# Altium PCB PJ_GRA_F.PcbDoc (part 1 of 2)
Units mm, origin at the board's own origin, x right, y up, seen from the top; angles counter-clockwise.
Board outline 100 x 100 mm, 2 copper layers (Top Layer, Bottom Layer); 102 components, 87 nets, 341 pads, 125 vias.
Unrouted connection lines stored in the file: 1.
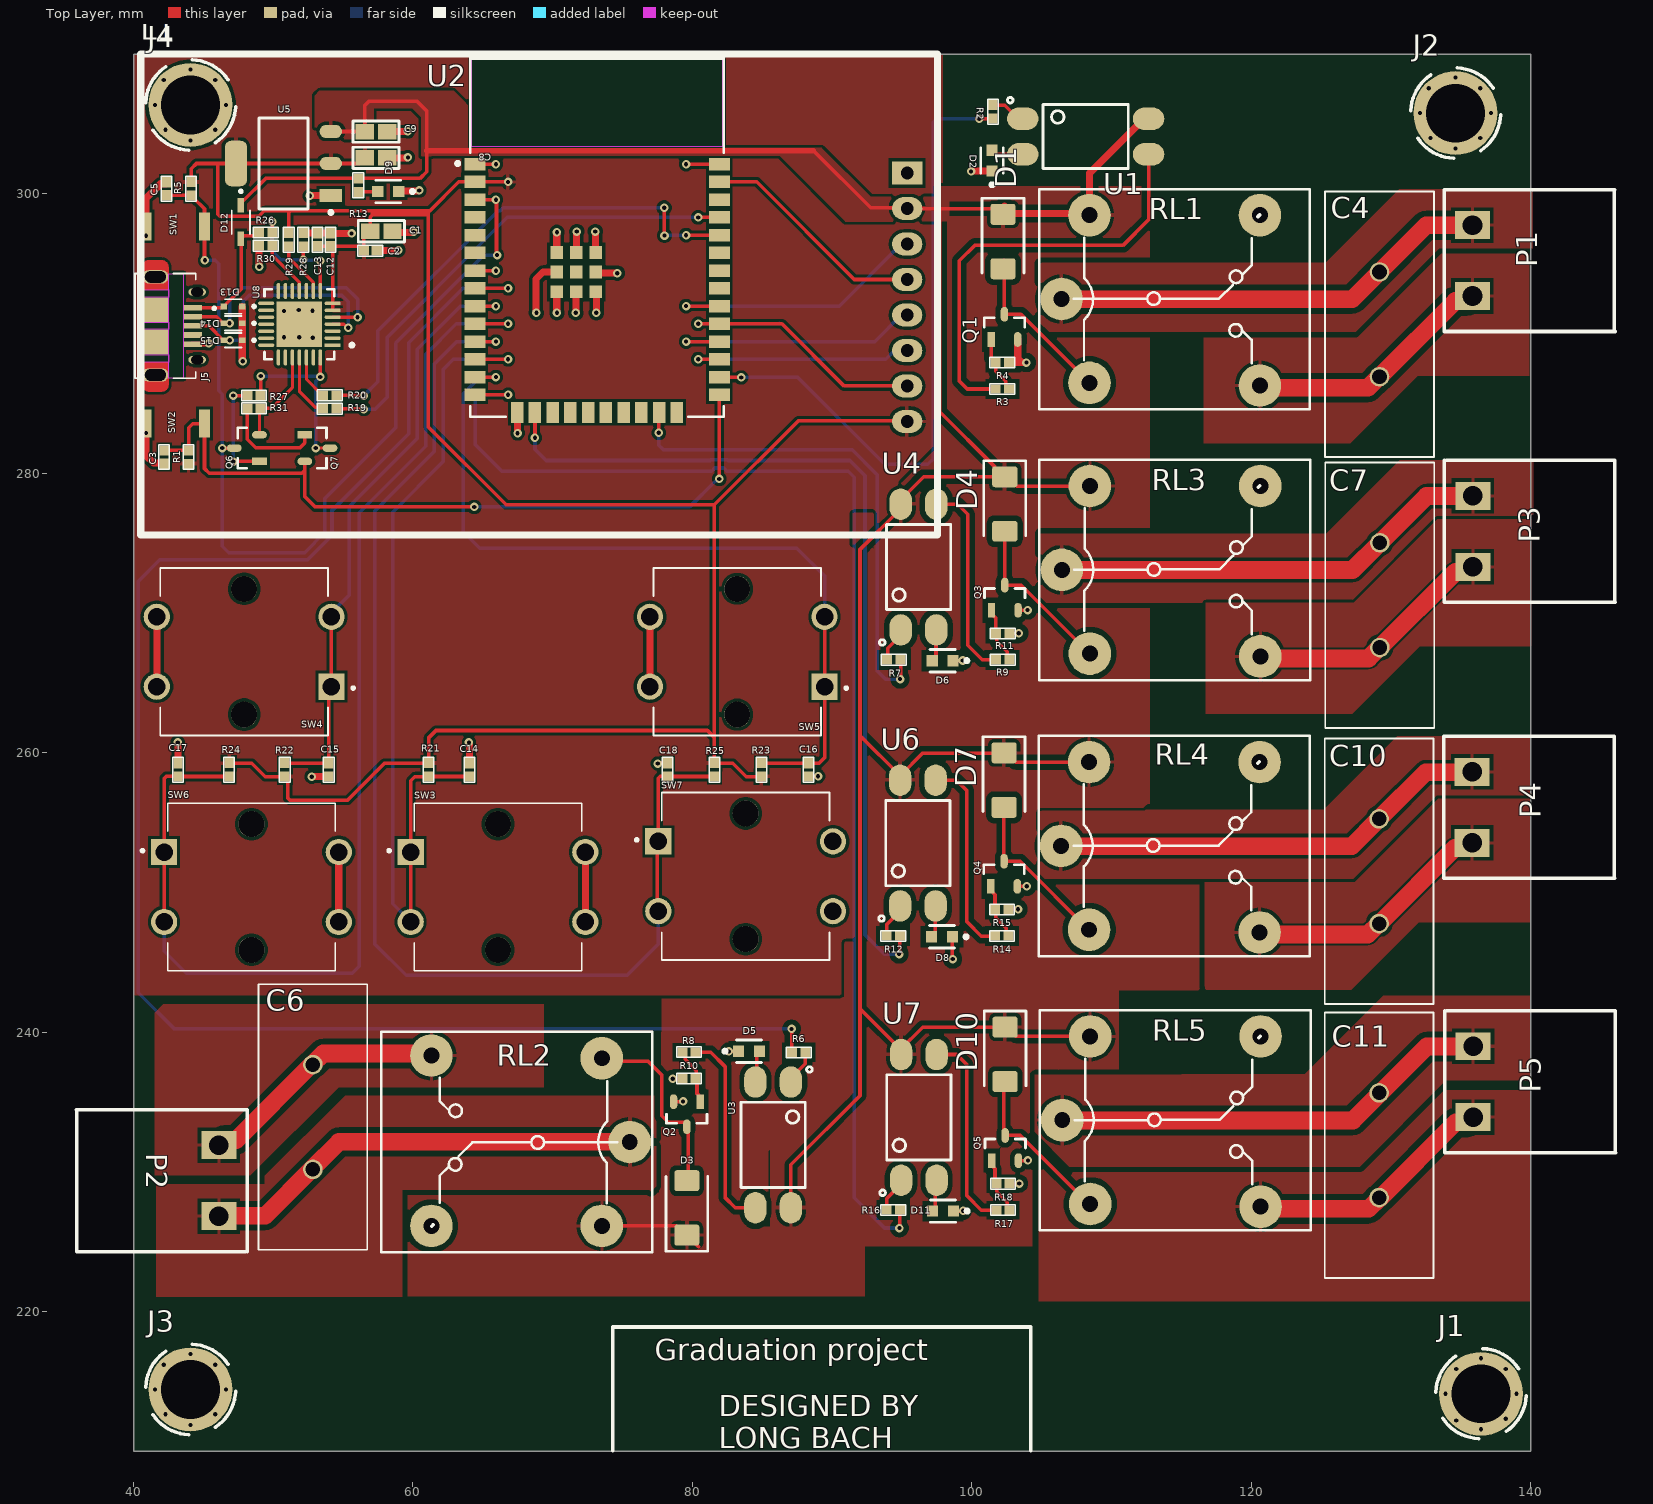
[diagram p0: Top Layer view]
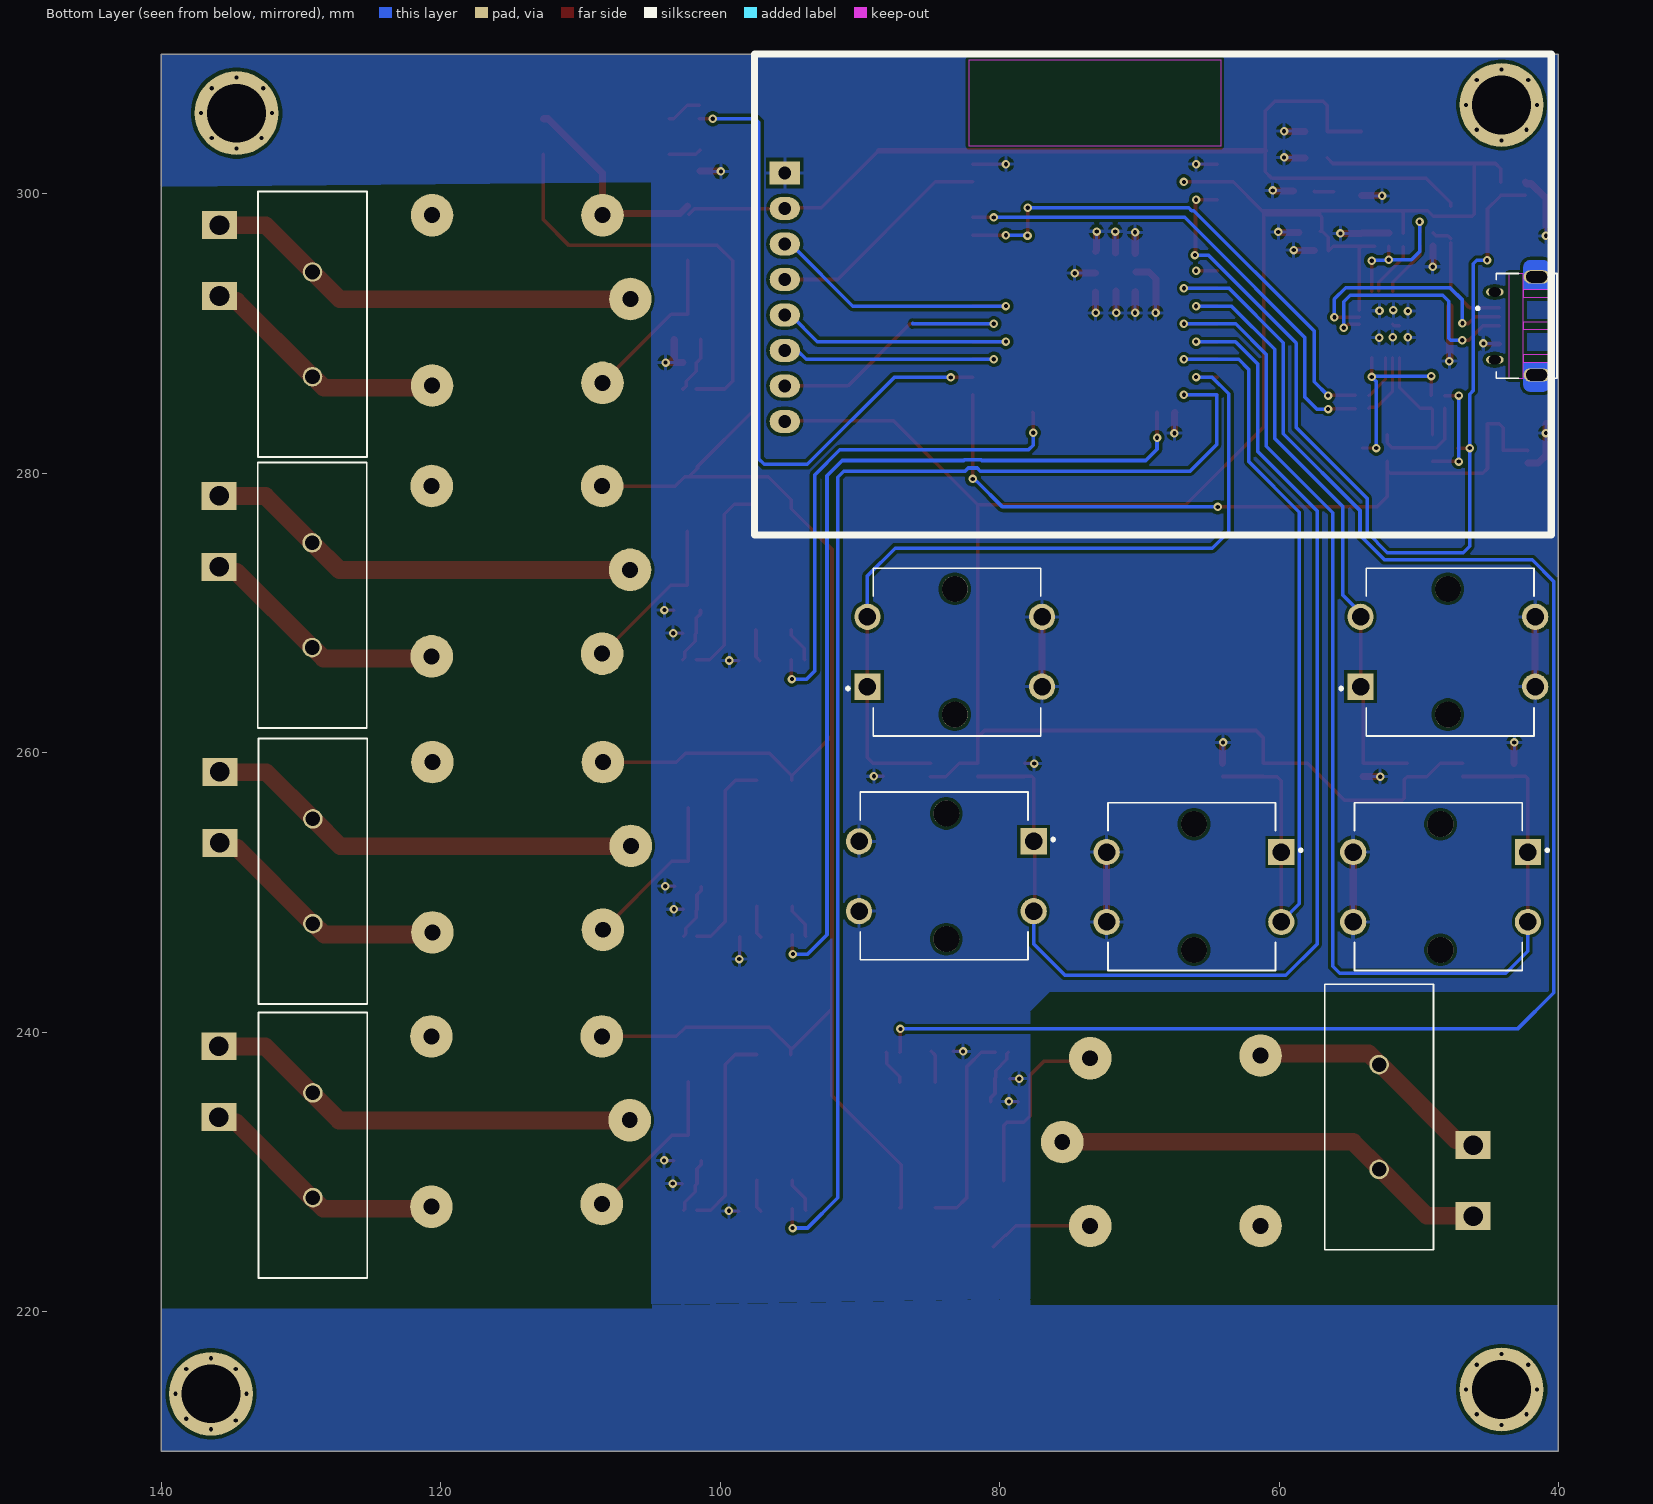
[diagram p1: Bottom Layer view, seen from below]

## Layer stack, top to bottom
Top Solder: solder mask 0.0102, Solder Resist, Dk 3.5
Top Layer: signal copper 0.0356
Dielectric 1: dielectric 0.32, FR-4, Dk 4.8
Bottom Layer: signal copper 0.0356
Bottom Solder: solder mask 0.0102, Solder Resist, Dk 3.5

## Board outline
40,210 140,210 140,310 40,310

## Design rules (kind name [scope] priority, off if disabled: settings)
Clearance [All] p1: gap=0.229 ignorepadtopadclearanceinfootprint=FALSE
PlaneConnect [All] p1: planeconnectstyle=Direct reliefexpansion=0.508 reliefentries=4 reliefconductorwidth=0.254 reliefairgap=0.254
PolygonConnect [All] p1: connectstyle=Relief reliefconductorwidth=0.254 reliefentries=4 polygonreliefangle="90 Angle" airgapwidth=0.254
RoutingVias [All] p1: holewidth=0.305 width=0.61 viastyle="Through Hole" minholewidth=0.305 minwidth=0.61 maxholewidth=0.305 maxwidth=0.61
SolderMaskExpansion [All] p1: expansion=0.051 istentingtop=FALSE
Width [All] p1: maxlimit=2.54 minlimit=0.229 preferedwidth=0.254 bottomlayer_minwidth=0.254 minimp=50.000000 maximp=50.000000 favimp=50.000000
29 further rules are at their usual default settings.

## Components (designator, comment, footprint, x,y, rotation, side; value= is the part's Value field where it differs from the comment)
C1 "22uF 10V" FP-GRM188-0_2-IPC_A 57.734,297.332 r180 top
C2 "0.1uf 50V" FP-C1005-050-0_05-IPC_A 56.947,295.935 r180 top
C3 "0.1uf 50V" FP-C1005-050-0_05-IPC_A 42.189,281.169 r90 top
C4 "470nF 400v" CAPRR750W80L1900T780H2200 129.184,290.669 r90 top
C5 "0.1uf 50V" FP-C1005-050-0_05-IPC_A 42.367,300.38 r270 top
C6 "470nF 400v" CAPRR750W80L1900T780H2200 52.834,233.931 r270 top
C7 "470nF 400v" CAPRR750W80L1900T780H2200 129.208,271.283 r90 top
C8 "22uF 10V" FP-GRM188-0_2-IPC_A 57.353,302.59 r180 top
C9 "22uF 10V" FP-GRM188-0_2-IPC_A 57.353,304.47 r180 top
C10 "470nF 400v" CAPRR750W80L1900T780H2200 129.158,251.522 r90 top
C11 "470nF 400v" CAPRR750W80L1900T780H2200 129.158,231.906 r90 top
C12 "4.7uf 6.3V" FP-C1005-050-0_05-IPC_A 54.102,296.723 r270 top
C13 "0.1uf 50V" FP-C1005-050-0_05-IPC_A 53.162,296.723 r270 top
C14 "0.1uf 50V" FP-C1005-050-0_05-IPC_A 64.033,258.775 r270 top
C15 "0.1uf 50V" FP-C1005-050-0_05-IPC_A 53.975,258.775 r90 top
C16 "0.1uf 50V" FP-C1005-050-0_05-IPC_A 88.316,258.775 r90 top
C17 "0.1uf 50V" FP-C1005-050-0_05-IPC_A 43.18,258.775 r270 top
C18 "0.1uf 50V" FP-C1005-050-0_05-IPC_A 78.207,258.775 r270 top
D1 "Diode" DO-214AC_SMA 102.235,296.596 r270 top
D2 "RED LED" FP-6_541-5092_01-4-MFG 101.448,302.387 r90 top
D3 "Diode" DO-214AC_SMA 79.605,227.424 r90 top
D4 "Diode" DO-214AC_SMA 102.361,277.808 r270 top
D5 "RED LED" FP-6_541-5092_01-4-MFG 84.05,238.639 r0 top
D6 "RED LED" FP-6_541-5092_01-4-MFG 97.916,266.593 r180 top
D7 "Diode" DO-214AC_SMA 102.31,258.047 r270 top
D8 "RED LED" FP-6_541-5092_01-4-MFG 97.865,246.832 r180 top
D9 "RED LED" FP-6_541-5092_01-4-MFG 58.23,300.177 r180 top
D10 "Diode" DO-214AC_SMA 102.386,238.413 r270 top
D11 "RED LED" FP-6_541-5092_01-4-MFG 97.941,227.197 r180 top
D12 "BAT760-7" SOD2513X120N 47.676,297.993 r270 top
D13 "DIODE" TVS_LESD5D5.0CT1G 47.12,291.948 r180 top
D14 "DIODE" TVS_LESD5D5.0CT1G 47.12,290.741 r180 top
D15 "DIODE" TVS_LESD5D5.0CT1G 47.12,289.535 r180 top
J1 "PIN-M4" M4 125.146,212.337 r90 top
J2 "PIN-M4" M4 132.842,317.094 r0 top
J3 "PIN-M4" M4 42.291,225.73 r0 top
J4 "PIN-M4" M4 42.291,317.678 r0 top
J5 "MICRO B" HRS_ZX62D-B-5P8 41.629,290.558 r270 top
L1 "LCD ST7735" "ST7735 (OLED -1.8 INCH)" 108.839,322.199 r180 top
P1 "CON 2 EDG5.08" "CON 2 2EDG5.08" 135.839,297.777 r270 top
P2 "CON 2 EDG5.08" "CON 2 2EDG5.08" 46.103,226.84 r90 top
P3 "CON 2 EDG5.08" "CON 2 2EDG5.08" 135.863,278.391 r270 top
P4 "CON 2 EDG5.08" "CON 2 2EDG5.08" 135.812,258.63 r270 top
P5 "CON 2 EDG5.08" "CON 2 2EDG5.08" 135.889,238.996 r270 top
Q1 "S8050" FP-SS8050-G-IPC_C 102.337,290.488 r90 top
Q2 "S8050" FP-SS8050-G-IPC_C 79.605,234.129 r270 top
Q3 "S8050" FP-SS8050-G-IPC_C 102.361,271.102 r90 top
Q4 "S8050" FP-SS8050-G-IPC_C 102.31,251.341 r90 top
Q5 "S8050" FP-SS8050-G-IPC_C 102.386,231.707 r90 top
Q6 "S8050" FP-SS8050-G-IPC_C 48.108,281.813 r180 top
Q7 "S8050" FP-SS8050-G-IPC_C 53.16,281.813 r0 top
R1 "10K" FP-AC0402-IPC_A 43.942,281.169 r270 top
R2 "2K" FP-AC0402-IPC_A 101.511,305.878 r90 top
R3 "2K" FP-AC0402-IPC_A 102.184,286.042 r0 top
R4 "2K" FP-AC0402-IPC_A 102.184,287.934 r180 top
R5 "10K" FP-AC0402-IPC_A 44.12,300.38 r90 top
R6 "2K" FP-AC0402-IPC_A 87.618,238.557 r0 top
R7 "2K" FP-AC0402-IPC_A 94.425,266.657 r180 top
R8 "2K" FP-AC0402-IPC_A 79.758,238.575 r180 top
R9 "2K" FP-AC0402-IPC_A 102.208,266.657 r0 top
R10 "2K" FP-AC0402-IPC_A 79.758,236.683 r0 top
R11 "2K" FP-AC0402-IPC_A 102.208,268.549 r180 top
R12 "2K" FP-AC0402-IPC_A 94.374,246.895 r180 top
R13 "2K" FP-AC0402-IPC_A 56.083,300.634 r90 top
R14 "2K" FP-AC0402-IPC_A 102.157,246.895 r0 top
R15 "2K" FP-AC0402-IPC_A 102.157,248.787 r180 top
R16 "2K" FP-AC0402-IPC_A 94.374,227.279 r180 top
R17 "2K" FP-AC0402-IPC_A 102.234,227.261 r0 top
R18 "2K" FP-AC0402-IPC_A 102.234,229.153 r180 top
R19 "0R(5%)" FP-AC0402-IPC_A 54.051,284.632 r180 top
R20 "0R(5%)" FP-AC0402-IPC_A 54.051,285.598 r180 top
R21 "10K" FP-AC0402-IPC_A 61.112,258.775 r90 top
R22 "10K" FP-AC0402-IPC_A 50.825,258.775 r270 top
R23 "10K" FP-AC0402-IPC_A 84.946,258.775 r270 top
R24 "10K" FP-AC0402-IPC_A 46.838,258.775 r90 top
R25 "10K" FP-AC0402-IPC_A 81.576,258.775 r90 top
R26 "22.1K" FP-AC0402-IPC_A 49.454,297.231 r0 top
R27 "10K" FP-AC0402-IPC_A 48.616,285.572 r180 top
R28 "47.5K" FP-AC0402-IPC_A 52.146,296.723 r270 top
R29 "2K" FP-AC0402-IPC_A 51.105,296.723 r270 top
R30 "10K" FP-AC0402-IPC_A 49.454,296.291 r0 top
R31 "10K" FP-AC0402-IPC_A 48.616,284.666 r180 top
RL1 "Relay" "Relay 5 Chan SRD" 106.426,292.481 r0 top
RL2 "Relay" "Relay 5 Chan SRD" 75.516,232.136 r180 top
RL3 "Relay" "Relay 5 Chan SRD" 106.45,273.095 r0 top
RL4 "Relay" "Relay 5 Chan SRD" 106.399,253.334 r0 top
RL5 "Relay" "Relay 5 Chan SRD" 106.475,233.7 r0 top
SW1 "Tact Switch" SKRK 42.977,297.688 r180 top
SW2 "Tact Switch" SKRK 42.977,283.566 r180 top
SW3 "TACT SWITCH 4P" SW_B3F-4055 66.087,250.393 r0 top
SW4 "TACT SWITCH 4P" SW_B3F-4055 47.913,267.233 r180 top
SW5 "TACT SWITCH 4P" SW_B3F-4055 83.21,267.233 r180 top
SW6 "TACT SWITCH 4P" SW_B3F-4055 48.438,250.393 r0 top
SW7 "TACT SWITCH 4P" SW_B3F-4055 83.813,251.162 r0 top
U1 "PC81713NIP0X" SOT254P1025X400-4N 108.153,304.114 r0 top
U2 "ESP32-WROOM-32D-N4" FP-ESP32-WROOM-32D_M113DH-0 73.176,296.874 r0 top
U3 "PC81713NIP0X" SOT254P1025X400-4N 85.778,231.933 r270 top
U4 "PC81713NIP0X" SOT254P1025X400-4N 96.188,273.298 r90 top
U5 "AMS1117-3.3" FP-AMS1117-IPC_A 50.724,302.184 r180 top
U6 "PC81713NIP0X" SOT254P1025X400-4N 96.138,253.537 r90 top
U7 "PC81713NIP0X" SOT254P1025X400-4N 96.214,233.903 r90 top
U8 "CP2102_QFN_28P" "FP-CP2102N-A01-GQFN28-IPC_A - DUPLICATE" 51.867,290.678 r180 top

## Footprints (in the part's own frame and the unit in brackets; to place one, negate y for a bottom-side part, rotate by r counter-clockwise, add the part's x,y. Pads: shape width x height; smd on the part's side, far side on the other; paste and mask are expansions set on the pad)
CAPRR750W80L1900T780H2200 [mm]
  round 1.4 hole 1.05: 1(-3.75,0) 2(3.75,0)
  silkscreen extent -9.5,-3.9 9.5,3.9, body extent -9.5,-3.86 9.5,3.94, height 22
"CON 2 2EDG5.08" [mm]
  rect 2x2.5 hole 1.4: 1(0,0) 2(5.08,0)
  silkscreen extent -2.54,-2.03 7.62,10.21, body extent -2.5,-1.75 7.58,10.25, height 3.15
DO-214AC_SMA [mm]
  rrect25% 1.5x1.8 smd: A(1.95,0) K(-1.95,0)
  silkscreen extent -3.1,-1.5 2.25,1.5, body extent -2.6,-1.3 2.6,1.3, height 2.33
FP-6_541-5092_01-4-MFG [mm]
  rect 0.8x0.8 smd paste+0 mask+0: 1(-0.75,0) 2(0.75,0)
  silkscreen extent -1.85,-0.8 0.9,0.8, body extent -1.25,-0.6 1.25,0.6, height 0.25
FP-AC0402-IPC_A [mm]
  rect 0.715x0.672 smd paste+0 mask+0: 1(-0.479,0) 2(0.479,0)
  silkscreen extent -0.89,-0.38 0.89,0.38, body extent -1.04,-0.54 1.04,0.54, height 0.25
FP-AMS1117-IPC_A [mm]
  rect 1.604x0.952 smd paste+0 mask+0: 1(-3.395,2.29)
  rrect100% 1.604x0.952 smd paste+0 mask+0: 2(-3.395,0) 3(-3.395,-2.29)
  rrect59% 1.604x3.262 smd paste+0 mask+0: 4(3.395,0)
  silkscreen extent -3.52,-3.25 1.75,3.62, body extent -4.7,-3.75 4.7,3.75, height 0.25
FP-C1005-050-0_05-IPC_A [mm] "CAP 0402"
  rect 0.739x0.672 smd paste+0 mask+0: 1(-0.467,0) 2(0.467,0)
  silkscreen extent -0.89,-0.38 0.89,0.38, body extent -1.04,-0.54 1.04,0.54, height 0.25
"FP-CP2102N-A01-GQFN28-IPC_A - DUPLICATE" [mm]
  rect 1.16x0.242 smd paste+0 mask+0: 1(-2.376,1.5)
  rrect100% 1.16x0.242 smd paste+0 mask+0: 2(-2.376,1) 3(-2.376,0.5) 4(-2.376,0) 5(-2.376,-0.5) 6(-2.376,-1) 7(-2.376,-1.5) 15(2.376,-1.5) 16(2.376,-1) 17(2.376,-0.5) 18(2.376,0) 19(2.376,0.5) 20(2.376,1) 21(2.376,1.5)
  rrect100% 0.242x1.16 smd paste+0 mask+0: 8(-1.5,-2.376) 9(-1,-2.376) 10(-0.5,-2.376) 11(0,-2.376) 12(0.5,-2.376) 13(1,-2.376) 14(1.5,-2.376) 22(1.5,2.376) 23(1,2.376) 24(0.5,2.376) 25(0,2.376) 26(-0.5,2.376) 27(-1,2.376) 28(-1.5,2.376)
  rect 3.25x3.25 smd paste-1000 mask+0: 29(0,0)
  silkscreen extent -3.88,-2.5 2.5,2.5, body extent -3.46,-3.46 3.46,3.46, height 0.25
FP-ESP32-WROOM-32D_M113DH-0 [mm]
  rect 1.5x0.9 smd paste+0 mask+0: 1(-8.75,5.26) 2(-8.75,3.99) 3(-8.75,2.72) 4(-8.75,1.45) 5(-8.75,0.18) 6(-8.75,-1.09) 7(-8.75,-2.36) 8(-8.75,-3.63) 9(-8.75,-4.9) 10(-8.75,-6.17) 11(-8.75,-7.44) 12(-8.75,-8.71) 13(-8.75,-9.98) 14(-8.75,-11.25) 25(8.75,-11.25) 26(8.75,-9.98) 27(8.75,-8.71) 28(8.75,-7.44) 29(8.75,-6.17) 30(8.75,-4.9) 31(8.75,-3.63) 32(8.75,-2.36) 33(8.75,-1.09) 34(8.75,0.18) 35(8.75,1.45) 36(8.75,2.72) 37(8.75,3.99) 38(8.75,5.26)
  rect 0.9x1.5 smd paste+0 mask+0: 15(-5.715,-12.5) 16(-4.445,-12.5) 17(-3.175,-12.5) 18(-1.905,-12.5) 19(-0.635,-12.5) 20(0.635,-12.5) 21(1.905,-12.5) 22(3.175,-12.5) 23(4.445,-12.5) 24(5.715,-12.5)
  rect 0.9x0.9 smd paste+0 mask+0: 39(-2.9,-3.86) 39(-2.9,-2.46) 39(-2.9,-1.06) 39(-1.5,-3.86) 39(-1.5,-2.46) 39(-1.5,-1.06) 39(-0.1,-3.86) 39(-0.1,-2.46) 39(-0.1,-1.06)
  Keep-Out Layer region: -9,6.56 9,6.56 9,12.75 -9,12.75
  silkscreen extent -10.1,-12.83 9.08,12.83, body extent -9.6,-13.35 9.6,12.93, height 0.25
FP-GRM188-0_2-IPC_A [mm] "CAP 0603"
  rect 1.305x1.106 smd paste+0 mask+0: 1(-0.801,0) 2(0.801,0)
  silkscreen extent -1.65,-0.76 1.65,0.76, body extent -1.95,-1.05 1.95,1.05, height 0.25
FP-SS8050-G-IPC_C [mm]
  rect 1.057x0.532 smd paste+0 mask+0: 1(-0.901,0.95)
  rrect100% 1.057x0.532 smd paste+0 mask+0: 2(-0.901,-0.95) 3(0.901,0)
  silkscreen extent 0,-1.45 0.65,1.45, body extent -1.53,-1.55 1.53,1.55, height 0.25
HRS_ZX62D-B-5P8 [mm]
  rect 0.4x1.35 smd mask+0.1: 1(-1.3,2.6) 2(-0.65,2.6) 3(0,2.6) 4(0.65,2.6) 5(1.3,2.6)
  oval 0.95x1.9 hole 0.825 slot 1.5 at 90 deg mask+0.1: GND(-3.512,-0.075) GND(3.512,-0.075)
  oval 0.525x1.25 hole 0.65 slot 0.85 at 90 deg mask+0.1: GND(-2.425,2.925) GND(2.425,2.925)
  rect 1.8x1.9 smd mask+0.1: S4(-1.15,-0.075) S5(1.15,-0.075)
  Top Layer region: -2.6,-0.075 -3.1,-0.075 -3.1,0.375 -3.1,0.391 -3.102,0.406 -3.104,0.422 -3.107,0.437 -3.11,0.453 -3.115,0.468 -3.12,0.483 -3.126,0.497 -3.133,0.511 -3.14,0.525 -3.148,0.538 -3.157,0.551 -3.167,0.564 -3.177,0.576 -3.188,0.587 -3.199,0.598 -3.211,0.608 -3.224,0.618 -3.237,0.627 -3.25,0.635 -3.264,0.642 -3.278,0.649 -3.292,0.655 -3.307,0.66 -3.322,0.665 -3.338,0.668 -3.353,0.671 -3.369,0.673 -3.384,0.675 -3.641,0.675 -3.656,0.673 -3.672,0.671 -3.687,0.668 -3.703,0.665 -3.718,0.66 -3.733,0.655 -3.747,0.649 -3.761,0.642 -3.775,0.635 -3.788,0.627 -3.801,0.618 -3.814,0.608 -3.826,0.598 -3.837,0.587 -3.848,0.576 -3.858,0.564 -3.868,0.551 -3.877,0.538 -3.885,0.525 -3.892,0.511 -3.899,0.497 -3.905,0.483 -3.91,0.468 -3.915,0.453 -3.918,0.437 -3.921,0.422 -3.923,0.406 -3.925,0.391 -3.925,0.375 -3.925,-0.075 -4.7,-0.075 -4.7,0.375 -4.699,0.401 -4.697,0.427 -4.694,0.453 -4.689,0.479 -4.683,0.504 -4.676,0.53 -4.667,0.554 -4.657,0.578 -4.646,0.602 -4.633,0.625 -4.619,0.647 -4.605,0.669 -4.589,0.69 -4.572,0.71 -4.554,0.729 -4.535,0.747 -4.515,0.764 -4.494,0.78 -4.472,0.794 -4.45,0.808 -4.427,0.821 -4.403,0.832 -4.379,0.842 -4.355,0.851 -4.329,0.858 -4.304,0.864 -4.278,0.869 -4.252,0.872 -4.226,0.874 -4.2,0.875 -2.6,0.875
  Top Layer region: 4.7,-0.525 4.699,-0.551 4.697,-0.577 4.694,-0.603 4.689,-0.629 4.683,-0.654 4.676,-0.68 4.667,-0.704 4.657,-0.728 4.646,-0.752 4.633,-0.775 4.619,-0.797 4.605,-0.819 4.589,-0.84 4.572,-0.86 4.554,-0.879 4.535,-0.897 4.515,-0.914 4.494,-0.93 4.472,-0.944 4.45,-0.958 4.427,-0.971 4.403,-0.982 4.379,-0.992 4.355,-1.001 4.329,-1.008 4.304,-1.014 4.278,-1.019 4.252,-1.022 4.226,-1.024 4.2,-1.025 2.6,-1.025 2.6,-0.075 3.1,-0.075 3.1,-0.525 3.1,-0.541 3.102,-0.556 3.104,-0.572 3.107,-0.587 3.11,-0.603 3.115,-0.618 3.12,-0.633 3.126,-0.647 3.133,-0.661 3.14,-0.675 3.148,-0.688 3.157,-0.701 3.167,-0.714 3.177,-0.726 3.188,-0.737 3.199,-0.748 3.211,-0.758 3.224,-0.768 3.237,-0.777 3.25,-0.785 3.264,-0.792 3.278,-0.799 3.292,-0.805 3.307,-0.81 3.322,-0.815 3.338,-0.818 3.353,-0.821 3.369,-0.823 3.384,-0.825 3.641,-0.825 3.656,-0.823 3.672,-0.821 3.687,-0.818 3.703,-0.815 3.718,-0.81 3.733,-0.805 3.747,-0.799 3.761,-0.792 3.775,-0.785 3.788,-0.777 3.801,-0.768 3.814,-0.758 3.826,-0.748 3.837,-0.737 3.848,-0.726 3.858,-0.714 3.868,-0.701 3.877,-0.688 3.885,-0.675 3.892,-0.661 3.899,-0.647 3.905,-0.633 3.91,-0.618 3.915,-0.603 3.918,-0.587 3.921,-0.572 3.923,-0.556 3.925,-0.541 3.925,-0.525 3.925,-0.075 4.7,-0.075
  Top Layer region: -2.6,-1.025 -4.2,-1.025 -4.226,-1.024 -4.252,-1.022 -4.278,-1.019 -4.304,-1.014 -4.329,-1.008 -4.355,-1.001 -4.379,-0.992 -4.403,-0.982 -4.427,-0.971 -4.45,-0.958 -4.472,-0.944 -4.494,-0.93 -4.515,-0.914 -4.535,-0.897 -4.554,-0.879 -4.572,-0.86 -4.589,-0.84 -4.605,-0.819 -4.619,-0.797 -4.633,-0.775 -4.646,-0.752 -4.657,-0.728 -4.667,-0.704 -4.676,-0.68 -4.683,-0.654 -4.689,-0.629 -4.694,-0.603 -4.697,-0.577 -4.699,-0.551 -4.7,-0.525 -4.7,-0.075 -3.925,-0.075 -3.925,-0.55 -3.925,-0.564 -3.923,-0.579 -3.922,-0.593 -3.919,-0.607 -3.916,-0.621 -3.912,-0.635 -3.907,-0.649 -3.901,-0.662 -3.895,-0.675 -3.888,-0.688 -3.881,-0.7 -3.872,-0.712 -3.864,-0.723 -3.854,-0.734 -3.844,-0.744 -3.834,-0.754 -3.823,-0.764 -3.812,-0.772 -3.8,-0.781 -3.787,-0.788 -3.775,-0.795 -3.762,-0.801 -3.749,-0.807 -3.735,-0.812 -3.721,-0.816 -3.707,-0.819 -3.693,-0.822 -3.679,-0.823 -3.664,-0.825 -3.384,-0.825 -3.369,-0.823 -3.353,-0.821 -3.338,-0.818 -3.322,-0.815 -3.307,-0.81 -3.292,-0.805 -3.278,-0.799 -3.264,-0.792 -3.25,-0.785 -3.237,-0.777 -3.224,-0.768 -3.211,-0.758 -3.199,-0.748 -3.188,-0.737 -3.177,-0.726 -3.167,-0.714 -3.157,-0.701 -3.148,-0.688 -3.14,-0.675 -3.133,-0.661 -3.126,-0.647 -3.12,-0.633 -3.115,-0.618 -3.11,-0.603 -3.107,-0.587 -3.104,-0.572 -3.102,-0.556 -3.1,-0.541 -3.1,-0.525 -3.1,-0.075 -2.6,-0.075
  Top Layer region: 4.226,0.874 4.252,0.872 4.278,0.869 4.304,0.864 4.329,0.858 4.355,0.851 4.379,0.842 4.403,0.832 4.427,0.821 4.45,0.808 4.472,0.794 4.494,0.78 4.515,0.764 4.535,0.747 4.554,0.729 4.572,0.71 4.589,0.69 4.605,0.669 4.619,0.647 4.633,0.625 4.646,0.602 4.657,0.578 4.667,0.554 4.676,0.53 4.683,0.504 4.689,0.479 4.694,0.453 4.697,0.427 4.699,0.401 4.7,0.375 4.7,-0.075 3.925,-0.075 3.925,0.4 3.925,0.414 3.923,0.429 3.922,0.443 3.919,0.457 3.916,0.471 3.912,0.485 3.907,0.499 3.901,0.512 3.895,0.525 3.888,0.538 3.881,0.55 3.872,0.562 3.864,0.573 3.854,0.584 3.844,0.594 3.834,0.604 3.823,0.614 3.812,0.622 3.8,0.631 3.787,0.638 3.775,0.645 3.762,0.651 3.749,0.657 3.735,0.662 3.721,0.666 3.707,0.669 3.693,0.672 3.679,0.673 3.664,0.675 3.384,0.675 3.369,0.673 3.353,0.671 3.338,0.668 3.322,0.665 3.307,0.66 3.292,0.655 3.278,0.649 3.264,0.642 3.25,0.635 3.237,0.627 3.224,0.618 3.211,0.608 3.199,0.598 3.188,0.587 3.177,0.576 3.167,0.564 3.157,0.551 3.148,0.538 3.14,0.525 3.133,0.511 3.126,0.497 3.12,0.483 3.115,0.468 3.11,0.453 3.107,0.437 3.104,0.422 3.102,0.406 3.1,0.391 3.1,0.375 3.1,-0.075 2.6,-0.075 2.6,0.875 4.2,0.875
  Bottom Layer region: -2.6,-0.075 -3.1,-0.075 -3.1,0.375 -3.1,0.391 -3.102,0.406 -3.104,0.422 -3.107,0.437 -3.11,0.453 -3.115,0.468 -3.12,0.483 -3.126,0.497 -3.133,0.511 -3.14,0.525 -3.148,0.538 -3.157,0.551 -3.167,0.564 -3.177,0.576 -3.188,0.587 -3.199,0.598 -3.211,0.608 -3.224,0.618 -3.237,0.627 -3.25,0.635 -3.264,0.642 -3.278,0.649 -3.292,0.655 -3.307,0.66 -3.322,0.665 -3.338,0.668 -3.353,0.671 -3.369,0.673 -3.384,0.675 -3.641,0.675 -3.656,0.673 -3.672,0.671 -3.687,0.668 -3.703,0.665 -3.718,0.66 -3.733,0.655 -3.747,0.649 -3.761,0.642 -3.775,0.635 -3.788,0.627 -3.801,0.618 -3.814,0.608 -3.826,0.598 -3.837,0.587 -3.848,0.576 -3.858,0.564 -3.868,0.551 -3.877,0.538 -3.885,0.525 -3.892,0.511 -3.899,0.497 -3.905,0.483 -3.91,0.468 -3.915,0.453 -3.918,0.437 -3.921,0.422 -3.923,0.406 -3.925,0.391 -3.925,0.375 -3.925,-0.075 -4.7,-0.075 -4.7,0.375 -4.699,0.401 -4.697,0.427 -4.694,0.453 -4.689,0.479 -4.683,0.504 -4.676,0.53 -4.667,0.554 -4.657,0.578 -4.646,0.602 -4.633,0.625 -4.619,0.647 -4.605,0.669 -4.589,0.69 -4.572,0.71 -4.554,0.729 -4.535,0.747 -4.515,0.764 -4.494,0.78 -4.472,0.794 -4.45,0.808 -4.427,0.821 -4.403,0.832 -4.379,0.842 -4.355,0.851 -4.329,0.858 -4.304,0.864 -4.278,0.869 -4.252,0.872 -4.226,0.874 -4.2,0.875 -2.6,0.875
  Bottom Layer region: 4.7,-0.525 4.699,-0.551 4.697,-0.577 4.694,-0.603 4.689,-0.629 4.683,-0.654 4.676,-0.68 4.667,-0.704 4.657,-0.728 4.646,-0.752 4.633,-0.775 4.619,-0.797 4.605,-0.819 4.589,-0.84 4.572,-0.86 4.554,-0.879 4.535,-0.897 4.515,-0.914 4.494,-0.93 4.472,-0.944 4.45,-0.958 4.427,-0.971 4.403,-0.982 4.379,-0.992 4.355,-1.001 4.329,-1.008 4.304,-1.014 4.278,-1.019 4.252,-1.022 4.226,-1.024 4.2,-1.025 2.6,-1.025 2.6,-0.075 3.1,-0.075 3.1,-0.525 3.1,-0.541 3.102,-0.556 3.104,-0.572 3.107,-0.587 3.11,-0.603 3.115,-0.618 3.12,-0.633 3.126,-0.647 3.133,-0.661 3.14,-0.675 3.148,-0.688 3.157,-0.701 3.167,-0.714 3.177,-0.726 3.188,-0.737 3.199,-0.748 3.211,-0.758 3.224,-0.768 3.237,-0.777 3.25,-0.785 3.264,-0.792 3.278,-0.799 3.292,-0.805 3.307,-0.81 3.322,-0.815 3.338,-0.818 3.353,-0.821 3.369,-0.823 3.384,-0.825 3.641,-0.825 3.656,-0.823 3.672,-0.821 3.687,-0.818 3.703,-0.815 3.718,-0.81 3.733,-0.805 3.747,-0.799 3.761,-0.792 3.775,-0.785 3.788,-0.777 3.801,-0.768 3.814,-0.758 3.826,-0.748 3.837,-0.737 3.848,-0.726 3.858,-0.714 3.868,-0.701 3.877,-0.688 3.885,-0.675 3.892,-0.661 3.899,-0.647 3.905,-0.633 3.91,-0.618 3.915,-0.603 3.918,-0.587 3.921,-0.572 3.923,-0.556 3.925,-0.541 3.925,-0.525 3.925,-0.075 4.7,-0.075